# KiCad board gk-pcbv3.kicad_pcb (continued)
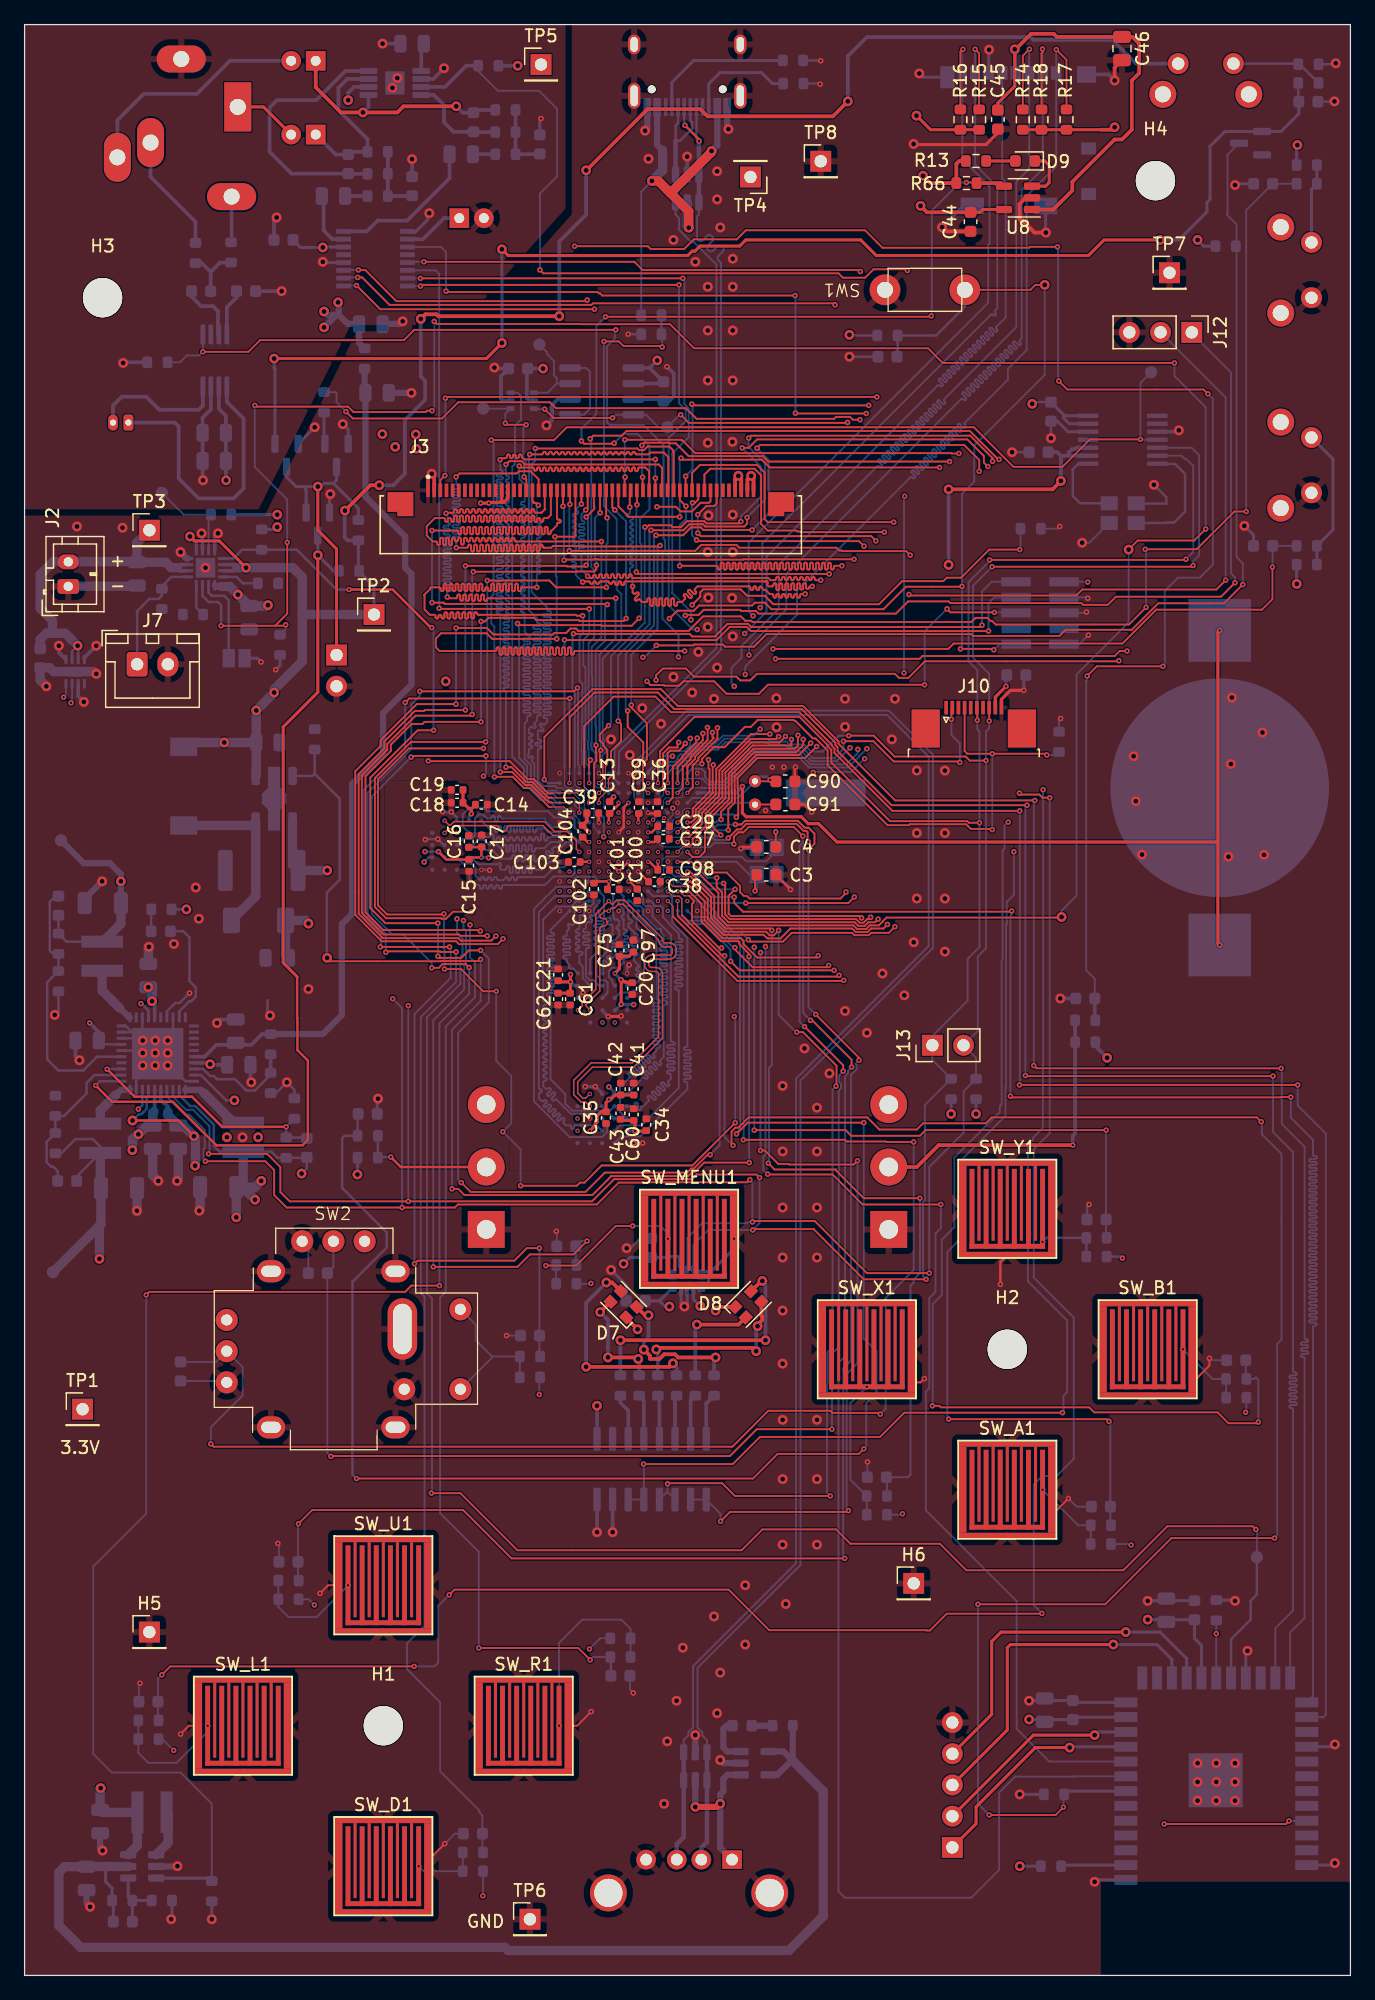
[diagram p0: board, top side]
## Routing (per net, layer and track width the routed paths; a pad name or vN(x,y) marks a point on that pad's centre or on a via; arc(x,y) is an arc through that point) (continued)
SDMMC1_CMD: length 95.4
  Top w0.152: v1(81.81,156.74) 81.27,156.2 R14.2
  In3.Cu w0.152: v3(50.77,97.03) 50.77,98.21 52.2,99.64 54.91,99.64 55.37,100.1 55.58,100.1 58.06,102.59 58.06,104.62 v1(57.78,104.9)
  Bottom w0.152: v1(81.81,156.74) 81.8,156.73 J4.3 81.8,147.03 80.8,146.02 80.8,145.92 80.75,145.87 80.75,134.14 74.87,128.26 arc(74.84,128.19) 74.87,128.12 74.94,128.05 arc(74.97,127.98) 74.94,127.91 74.91,127.88 arc(74.84,127.85) 74.77,127.88 74.49,128.16 arc(74.42,128.19) 74.35,128.16 74.32,128.12 arc(74.29,128.06) 74.32,127.99 74.6,127.71 arc(74.62,127.64) 74.6,127.57 74.56,127.54 arc(74.49,127.51) 74.43,127.54 74.15,127.82 arc(74.08,127.84) 74.01,127.82 73.97,127.78 arc(73.95,127.71) 73.97,127.64 74.25,127.37 arc(74.28,127.3) 74.25,127.23 74.22,127.19 arc(74.15,127.17) 74.08,127.19 73.8,127.47 arc(73.73,127.5) 73.67,127.47 73.63,127.44 arc(73.6,127.37) 73.63,127.3 73.91,127.02 arc(73.94,126.95) 73.91,126.89 73.88,126.85 arc(73.81,126.82) 73.74,126.85 73.46,127.13 arc(73.39,127.16) 73.32,127.13 73.29,127.1 arc(73.26,127.03) 73.29,126.96 73.57,126.68 arc(73.6,126.61) 73.57,126.54 73.53,126.51 arc(73.47,126.48) 73.4,126.51 73.12,126.79 arc(73.05,126.82) 72.98,126.79 72.95,126.75 arc(72.92,126.68) 72.95,126.62 73.23,126.34 arc(73.25,126.27) 73.23,126.2 73.19,126.17 arc(73.12,126.14) 73.05,126.17 72.77,126.44 arc(72.71,126.47) 72.64,126.44 72.6,126.41 arc(72.57,126.34) 72.6,126.27 72.88,125.99 arc(72.91,125.93) 72.88,125.86 72.85,125.82 arc(72.78,125.79) 72.71,125.82 72.43,126.1 arc(72.36,126.13) 72.29,126.1 72.26,126.07 arc(72.23,126) 72.26,125.93 72.54,125.65 arc(72.57,125.58) 72.54,125.51 72.51,125.48 arc(72.44,125.45) 72.37,125.48 72.09,125.76 arc(72.02,125.79) 71.95,125.76 71.92,125.72 arc(71.89,125.66) 71.92,125.59 72.2,125.31 arc(72.23,125.24) 72.2,125.17 72.16,125.14 arc(72.09,125.11) 72.03,125.14 71.75,125.42 arc(71.68,125.44) 71.61,125.42 71.58,125.38 arc(71.55,125.31) 71.58,125.24 71.85,124.97 arc(71.88,124.9) 71.85,124.83 71.82,124.79 arc(71.75,124.77) 71.68,124.79 71.4,125.07 arc(71.34,125.1) 71.27,125.07 71.23,125.04 arc(71.2,124.97) 71.23,124.9 71.51,124.62 arc(71.54,124.55) 71.51,124.49 71.48,124.45 arc(71.41,124.42) 71.34,124.45 71.06,124.73 arc(70.99,124.76) 70.92,124.73 70.89,124.7 arc(70.86,124.63) 70.89,124.56 71.17,124.28 arc(71.2,124.21) 71.17,124.14 71.13,124.11 arc(71.07,124.08) 71,124.11 70.72,124.39 arc(70.65,124.42) 70.58,124.39 70.55,124.35 arc(70.52,124.29) 70.55,124.22 70.83,123.94 arc(70.85,123.87) 70.83,123.8 70.79,123.77 arc(70.72,123.74) 70.65,123.77 70.38,124.05 arc(70.31,124.07) 70.24,124.05 70.2,124.01 arc(70.18,123.94) 70.2,123.87 70.48,123.59 arc(70.51,123.53) 70.48,123.46 70.45,123.42 arc(70.38,123.39) 70.31,123.42 70.03,123.7 arc(69.96,123.73) 69.9,123.7 69.86,123.67 arc(69.83,123.6) 69.86,123.53 70.14,123.25 arc(70.17,123.18) 70.14,123.11 70.11,123.08 arc(70.04,123.05) 69.97,123.08 69.69,123.36 arc(69.62,123.39) 69.55,123.36 69.52,123.33 arc(69.49,123.26) 69.52,123.19 69.8,122.91 arc(69.83,122.84) 69.8,122.77 69.76,122.74 arc(69.69,122.71) 69.63,122.74 69.55,122.81 arc(69.49,122.84) 69.42,122.81 67.98,121.37 61.39,114.78 61.39,111.2 58.37,108.18 58.37,107.21 57.56,106.4 57.56,105.13 v1(57.78,104.9)
SDMMC1_D0: length 95.3
  Top w0.152: v1(77.39,156.74) 77.72,156.42 R15.2
  In3.Cu w0.152: v3(45.17,89.03) 46.66,89.03 47.47,88.21 48.29,88.21 48.79,87.71 50.52,87.71 50.83,88.01 51.87,88.01 52.04,87.83 54.36,87.83 55.27,88.75 55.27,90.55 56.11,91.39 56.11,94.77 56.77,95.43 56.77,98.96 59.61,101.8 59.61,105.18 59.89,105.46 v1(59.89,111.3)
  Bottom w0.152: v1(77.39,156.74) 77.4,156.74 J4.7 77.4,147.34 79.2,145.54 79.2,135.66 79,135.46 arc(78.97,135.4) 79,135.33 79.07,135.26 arc(79.09,135.19) 79.07,135.12 79.03,135.09 arc(78.96,135.06) 78.89,135.09 78.83,135.16 arc(78.76,135.18) 78.69,135.16 76.21,132.68 60.07,116.54 60.07,111.48 v1(59.89,111.3)
SDMMC1_D1: length 95.3
  Top w0.152: R16.2 76.19,156.53 v1(76.4,156.74)
  In3.Cu w0.152: v3(44.37,89.03) 44.71,89.37 48.62,89.37 48.77,89.22 48.77,88.82 49.02,88.57 49.81,88.57 49.96,88.42 52.04,88.42 52.22,88.6 54.25,88.6 54.89,89.23 54.89,90.81 55.73,91.64 55.73,94.84 56.46,95.58 56.46,99.11 59.31,101.96 59.31,105.21 59.35,105.25 59.35,105.4 59.51,105.56 59.51,110.44 v1(59.31,110.64)
  Bottom w0.152: v1(59.31,110.64) 58.95,111 58.95,116.61 78.46,136.12 78.46,140.82 78.56,140.92 78.56,145.59 76.35,147.81 J4.8 76.35,156.69 v1(76.4,156.74)
SDMMC1_D2: length 93.7
  Top w0.09: 54.17,94.2 53.54,94.2 v3(53.17,93.83)
  Top w0.152: v1(84,156.72) 84.83,155.89 R17.2 ; 54.17,94.2 54.4,94.42 54.4,94.96 55.77,96.33 55.77,98.15 55.68,98.24 v1(55.68,98.93)
  In3.Cu w0.152: v1(58.67,105.87) 58.7,105.84 58.7,102.34 55.68,99.32 v1(55.68,98.93)
  Bottom w0.152: v1(58.67,105.87) 58.67,106.5 62.89,110.72 62.89,112.69 72.12,121.91 arc(72.19,121.94) 72.25,121.91 72.32,121.85 arc(72.39,121.82) 72.46,121.85 72.49,121.88 arc(72.52,121.95) 72.49,122.02 72.22,122.29 arc(72.19,122.36) 72.22,122.43 72.25,122.46 arc(72.32,122.49) 72.39,122.46 72.67,122.19 arc(72.73,122.16) 72.8,122.19 72.84,122.22 arc(72.87,122.29) 72.84,122.36 72.56,122.63 arc(72.53,122.7) 72.56,122.77 72.6,122.81 arc(72.67,122.83) 72.73,122.81 73.01,122.53 arc(73.08,122.5) 73.15,122.53 73.18,122.57 arc(73.21,122.63) 73.18,122.7 72.91,122.98 arc(72.88,123.05) 72.91,123.11 72.94,123.15 arc(73.01,123.18) 73.08,123.15 73.35,122.87 arc(73.42,122.85) 73.49,122.87 73.52,122.91 arc(73.55,122.98) 73.52,123.05 73.25,123.32 arc(73.22,123.39) 73.25,123.46 73.28,123.49 arc(73.35,123.52) 73.42,123.49 73.69,123.22 arc(73.76,123.19) 73.83,123.22 73.87,123.25 arc(73.89,123.32) 73.87,123.39 73.59,123.66 arc(73.56,123.73) 73.59,123.8 73.63,123.83 arc(73.69,123.86) 73.76,123.83 74.04,123.56 arc(74.11,123.53) 74.17,123.56 74.21,123.59 arc(74.24,123.66) 74.21,123.73 73.93,124.01 arc(73.91,124.07) 73.93,124.14 73.97,124.18 arc(74.04,124.21) 74.11,124.18 74.38,123.9 arc(74.45,123.87) 74.52,123.9 74.55,123.94 arc(74.58,124.01) 74.55,124.07 74.28,124.35 arc(74.25,124.42) 74.28,124.49 74.31,124.52 arc(74.38,124.55) 74.45,124.52 74.72,124.25 arc(74.79,124.22) 74.86,124.25 74.89,124.28 arc(74.92,124.35) 74.89,124.42 74.62,124.69 arc(74.59,124.76) 74.62,124.83 74.65,124.86 arc(74.72,124.89) 74.79,124.86 75.07,124.59 arc(75.13,124.56) 75.2,124.59 75.24,124.62 arc(75.27,124.69) 75.24,124.76 74.96,125.03 arc(74.93,125.1) 74.96,125.17 75,125.21 arc(75.07,125.23) 75.13,125.21 75.41,124.93 arc(75.48,124.9) 75.55,124.93 75.58,124.96 arc(75.61,125.03) 75.58,125.1 75.31,125.38 arc(75.28,125.45) 75.31,125.51 75.34,125.55 arc(75.41,125.58) 75.48,125.55 75.75,125.27 arc(75.82,125.25) 75.89,125.27 75.92,125.31 arc(75.95,125.38) 75.92,125.44 75.65,125.72 arc(75.62,125.79) 75.65,125.86 75.68,125.89 arc(75.75,125.92) 75.82,125.89 76.09,125.62 arc(76.16,125.59) 76.23,125.62 76.27,125.65 arc(76.29,125.72) 76.27,125.79 75.99,126.06 arc(75.96,126.13) 75.99,126.2 76.03,126.23 arc(76.09,126.26) 76.16,126.23 76.44,125.96 arc(76.51,125.93) 76.57,125.96 76.61,125.99 arc(76.64,126.06) 76.61,126.13 76.54,126.2 arc(76.51,126.27) 76.54,126.34 80.06,129.86 80.06,130.73 81.58,132.26 81.58,144.81 84,147.22 J4.1 v1(84,156.72)
SDMMC1_D3: length 93.6
  Top w0.152: R18.2 82.8,156.41 82.88,156.49 v1(82.88,156.77) ; v1(56.07,98.5) 56.02,98.46 56.02,96.21 54.64,94.83 54.64,94.18 54.28,93.83 v3(53.97,93.83)
  In3.Cu w0.152: v1(56.07,98.5) 56.07,99.15 59,102.08 59,105.49 59.11,105.59 59.11,106.38 58.98,106.5 v1(58.98,107.44)
  Bottom w0.152: v1(82.88,156.77) 82.9,156.75 J4.2 82.9,147.01 81.18,145.29 81.18,133.2 81.03,133.05 arc(81,132.98) 81.03,132.91 81.1,132.84 arc(81.13,132.78) 81.1,132.71 81.07,132.67 arc(81,132.65) 80.93,132.67 80.65,132.95 arc(80.59,132.98) 80.52,132.95 80.48,132.92 arc(80.45,132.85) 80.48,132.78 80.76,132.5 arc(80.79,132.43) 80.76,132.36 80.72,132.33 arc(80.66,132.3) 80.59,132.33 80.31,132.61 arc(80.24,132.64) 80.17,132.61 80.14,132.57 arc(80.11,132.5) 80.14,132.44 80.42,132.16 arc(80.44,132.09) 80.42,132.02 80.38,131.99 arc(80.31,131.96) 80.24,131.99 79.97,132.26 arc(79.9,132.29) 79.83,132.26 79.8,132.23 arc(79.77,132.16) 79.8,132.09 80.07,131.82 arc(80.1,131.75) 80.07,131.68 80.04,131.64 arc(79.97,131.62) 79.9,131.64 79.63,131.92 arc(79.56,131.95) 79.49,131.92 79.45,131.89 arc(79.43,131.82) 79.45,131.75 79.73,131.47 arc(79.76,131.41) 79.73,131.34 79.7,131.3 arc(79.63,131.27) 79.56,131.3 79.28,131.58 arc(79.21,131.61) 79.15,131.58 79.11,131.54 arc(79.08,131.48) 79.11,131.41 79.39,131.13 arc(79.42,131.06) 79.39,130.99 79.35,130.96 arc(79.28,130.93) 79.22,130.96 78.94,131.24 arc(78.87,131.26) 78.8,131.24 78.77,131.2 arc(78.74,131.13) 78.77,131.06 79.05,130.79 arc(79.07,130.72) 79.05,130.65 79.01,130.62 arc(78.94,130.59) 78.87,130.62 78.6,130.89 arc(78.53,130.92) 78.46,130.89 78.43,130.86 arc(78.4,130.79) 78.43,130.72 78.7,130.45 arc(78.73,130.38) 78.7,130.31 78.67,130.27 arc(78.6,130.25) 78.53,130.27 78.25,130.55 arc(78.19,130.58) 78.12,130.55 78.08,130.52 arc(78.05,130.45) 78.08,130.38 78.36,130.1 arc(78.39,130.03) 78.36,129.97 78.33,129.93 arc(78.26,129.9) 78.19,129.93 77.91,130.21 arc(77.84,130.24) 77.77,130.21 77.74,130.17 arc(77.71,130.1) 77.74,130.04 78.02,129.76 arc(78.05,129.69) 78.02,129.62 77.98,129.59 arc(77.91,129.56) 77.85,129.59 77.57,129.86 arc(77.5,129.89) 77.43,129.86 77.4,129.83 arc(77.37,129.76) 77.4,129.69 77.67,129.42 arc(77.7,129.35) 77.67,129.28 77.64,129.25 arc(77.57,129.22) 77.5,129.25 77.23,129.52 arc(77.16,129.55) 77.09,129.52 77.05,129.49 arc(77.03,129.42) 77.05,129.35 77.33,129.07 arc(77.36,129.01) 77.33,128.94 77.3,128.9 arc(77.23,128.87) 77.16,128.9 76.88,129.18 arc(76.81,129.21) 76.75,129.18 76.71,129.14 arc(76.68,129.08) 76.71,129.01 76.99,128.73 arc(77.02,128.66) 76.99,128.59 76.95,128.56 arc(76.89,128.53) 76.82,128.56 76.54,128.84 arc(76.47,128.86) 76.4,128.84 76.37,128.8 arc(76.34,128.73) 76.37,128.66 76.65,128.39 arc(76.67,128.32) 76.65,128.25 76.61,128.22 arc(76.54,128.19) 76.47,128.22 76.4,128.29 arc(76.34,128.31) 76.27,128.29 75.2,127.22 62.03,114.05 62.03,111.15 58.98,108.1 v1(58.98,107.44)
SPI2_MOSI: length 111.2
  Top w0.152: v1(56.35,89.32) 56.35,88.58 56.79,88.15 56.79,86.23 57.32,85.7 67.59,85.7 67.88,85.41 68.42,85.41 68.71,85.7 69.24,85.7 v1(69.49,85.95) ; v1(68.05,138.66) 67.92,138.79 50.32,138.79 49.66,139.45 v1(32.51,139.45)
  In3.Cu w0.152: v1(68.05,138.66) 68.02,138.63 68.02,128.04 67.56,127.58 67.56,124.46 v1(71.65,120.37) ; v1(69.49,85.95) 69.49,97.26 71.73,99.49 71.73,105.87 v1(71.61,105.99)
  Bottom w0.152: v1(56.35,89.32) 55.59,89.32 55.08,89.83 U4.L1 ; U7.13 31.24,139.45 v1(32.51,139.45) ; v1(71.65,120.37) 71.6,120.32 71.6,105.99 v1(71.61,105.99)
SPI2_NSS: length 70
  Top w0.152: v1(56.41,101.52) 56.41,100.63 54.86,99.09 54.86,98.91 54.79,98.83 54.78,98.83 54.4,98.45 54.4,96.66 v3(53.97,96.23) ; v1(53.59,138.1) v1(32.23,138.1)
  In3.Cu w0.152: v1(56.41,101.52) 56.41,101.57 57.58,102.74 57.58,104.39 57.18,104.8 57.18,105.56 57.45,105.84 57.45,107.54 56.52,108.48 56.52,110.19 56.39,110.31 v1(54.25,110.31)
  Bottom w0.152: v1(32.23,138.1) 31.19,138.1 U7.15 ; v1(54.25,110.31) 54.25,110.96 52.73,112.48 52.73,123.83 54.08,125.17 54.08,127.51 53.72,127.86 53.72,137.97 v1(53.59,138.1)
SPI2_SCK: length 56
  Top w0.152: v1(45.97,111.2) 33.81,111.2 v1(33.76,111.25)
  Bottom w0.152: v1(33.76,111.25) 33.76,138.46 33.46,138.75 U7.14 ; v1(45.97,111.2) 45.97,109.14 45.49,108.66 45.49,106.6 45.67,106.43 45.67,100.53 45.62,100.48 45.62,99.74 45.67,99.69 45.67,98.68 45.97,98.38 U4.A12
SPI3_MISO: length 145.8
  Top w0.152: v1(102.31,73.81) 82.4,73.81 v1(82.17,74.04) ; v1(82.25,95.61) 82.23,95.62 70.88,95.62 66.27,100.23 66.27,100.42 63.39,103.3 53.19,103.3 51.82,104.67 46.23,104.67 42.32,100.76 v1(42.32,97.31)
  Bottom w0.152: v1(42.32,97.31) 42.6,97.03 U4.B15 ; v1(82.17,74.04) 82.17,95.53 v1(82.25,95.61) ; v1(102.31,73.81) 102.36,73.76 102.36,69.29 104.22,67.44 104.22,51.87 arc(104.24,51.8) 104.31,51.77 104.4,51.77 arc(104.47,51.74) 104.5,51.67 104.5,51.62 arc(104.47,51.56) 104.4,51.53 104.03,51.53 arc(103.96,51.5) 103.93,51.43 103.93,51.38 arc(103.96,51.31) 104.03,51.29 104.4,51.29 arc(104.47,51.26) 104.5,51.19 104.5,51.14 arc(104.47,51.07) 104.4,51.04 104.03,51.04 arc(103.96,51.01) 103.93,50.95 103.93,50.9 arc(103.96,50.83) 104.03,50.8 104.4,50.8 arc(104.47,50.77) 104.5,50.7 104.5,50.66 arc(104.47,50.59) 104.4,50.56 104.03,50.56 arc(103.96,50.53) 103.93,50.46 103.93,50.41 arc(103.96,50.34) 104.03,50.32 104.12,50.32 arc(104.19,50.29) 104.22,50.22 104.22,29.08 103.05,27.91 U25.24
SPI3_MOSI: length 145.8
  Top w0.09: 45.56,98.34 45.56,96.74 45.97,96.33 v3(45.97,95.43)
  Top w0.152: v1(81.03,94.77) 70.65,94.77 65.94,99.48 65.94,99.84 65.74,100.04 65.74,100.13 63.08,102.79 52.63,102.79 51.36,104.06 47.96,104.06 45.56,101.67 45.56,98.34 ; v1(103.66,72.47) v1(81,72.47)
  Bottom w0.152: v1(81,72.47) 81.03,72.49 v1(81.03,94.77) ; v1(103.66,72.47) 103.66,70.79 105.94,68.5 105.94,21.21 105.71,20.98 105.68,21.02 U25.26
SPI3_NSS: length 145.7
  Top w0.152: v1(80.37,86.61) 80.31,86.56 58.5,86.56 57.78,87.28 v1(57.78,87.74) ; v1(80.26,71.55) 80.37,71.45 102.23,71.45 102.26,71.48 v1(103.1,71.48)
  Bottom w0.09: 55.11,88.58 53.74,88.58 53.29,89.03 U4.M3
  Bottom w0.152: 55.11,88.58 55.95,87.74 v1(57.78,87.74) ; v1(80.37,86.61) 80.37,86.28 80.26,86.18 v1(80.26,71.55) ; U25.25 104.9,22.73 104.9,52.78 arc(104.93,52.85) 105,52.87 105.1,52.87 arc(105.17,52.9) 105.2,52.97 105.2,53.02 arc(105.17,53.09) 105.1,53.12 104.7,53.12 arc(104.63,53.15) 104.61,53.21 104.61,53.26 arc(104.63,53.33) 104.7,53.36 105.1,53.36 arc(105.17,53.39) 105.2,53.46 105.2,53.51 arc(105.17,53.57) 105.1,53.6 104.7,53.6 arc(104.63,53.63) 104.61,53.7 104.61,53.75 arc(104.63,53.82) 104.7,53.84 105.1,53.84 arc(105.17,53.87) 105.2,53.94 105.2,53.99 arc(105.17,54.06) 105.1,54.09 104.7,54.09 arc(104.63,54.12) 104.61,54.18 104.61,54.23 arc(104.63,54.3) 104.7,54.33 105.1,54.33 arc(105.17,54.36) 105.2,54.43 105.2,54.47 arc(105.17,54.54) 105.1,54.57 104.7,54.57 arc(104.63,54.6) 104.61,54.67 104.61,54.72 arc(104.63,54.79) 104.7,54.81 105.1,54.81 arc(105.17,54.84) 105.2,54.91 105.2,54.96 arc(105.17,55.03) 105.1,55.06 104.7,55.06 arc(104.63,55.08) 104.61,55.15 104.61,55.2 arc(104.63,55.27) 104.7,55.3 105.1,55.3 arc(105.17,55.33) 105.2,55.4 105.2,55.44 arc(105.17,55.51) 105.1,55.54 104.7,55.54 arc(104.63,55.57) 104.61,55.64 104.61,55.69 arc(104.63,55.76) 104.7,55.78 105.1,55.78 arc(105.17,55.81) 105.2,55.88 105.2,55.93 arc(105.17,56) 105.1,56.03 104.7,56.03 arc(104.63,56.05) 104.61,56.12 104.61,56.17 arc(104.63,56.24) 104.7,56.27 105.1,56.27 arc(105.17,56.3) 105.2,56.37 105.2,56.41 arc(105.17,56.48) 105.1,56.51 104.7,56.51 arc(104.63,56.54) 104.61,56.61 104.61,56.66 arc(104.63,56.72) 104.7,56.75 105.1,56.75 arc(105.17,56.78) 105.2,56.85 105.2,56.9 arc(105.17,56.97) 105.1,57 104.7,57 arc(104.63,57.02) 104.61,57.09 104.61,57.14 arc(104.63,57.21) 104.7,57.24 105.1,57.24 arc(105.17,57.27) 105.2,57.34 105.2,57.38 arc(105.17,57.45) 105.1,57.48 104.7,57.48 arc(104.63,57.51) 104.61,57.58 104.61,57.63 arc(104.63,57.69) 104.7,57.72 105.1,57.72 arc(105.17,57.75) 105.2,57.82 105.2,57.87 arc(105.17,57.94) 105.1,57.97 104.7,57.97 arc(104.63,57.99) 104.61,58.06 104.61,58.11 arc(104.63,58.18) 104.7,58.21 105.1,58.21 arc(105.17,58.24) 105.2,58.3 105.2,58.35 arc(105.17,58.42) 105.1,58.45 104.7,58.45 arc(104.63,58.48) 104.61,58.55 104.61,58.6 arc(104.63,58.66) 104.7,58.69 105.1,58.69 arc(105.17,58.72) 105.2,58.79 105.2,58.84 arc(105.17,58.91) 105.1,58.93 104.7,58.93 arc(104.63,58.96) 104.61,59.03 104.61,59.08 arc(104.63,59.15) 104.7,59.18 105.1,59.18 arc(105.17,59.21) 105.2,59.27 105.2,59.32 arc(105.17,59.39) 105.1,59.42 104.7,59.42 arc(104.63,59.45) 104.61,59.52 104.61,59.57 arc(104.63,59.63) 104.7,59.66 105.1,59.66 arc(105.17,59.69) 105.2,59.76 105.2,59.81 arc(105.17,59.88) 105.1,59.9 104.7,59.9 arc(104.63,59.93) 104.61,60 104.61,60.05 arc(104.63,60.12) 104.7,60.15 105.1,60.15 arc(105.17,60.18) 105.2,60.24 105.2,60.29 arc(105.17,60.36) 105.1,60.39 104.7,60.39 arc(104.63,60.42) 104.61,60.49 104.61,60.53 arc(104.63,60.6) 104.7,60.63 105.1,60.63 arc(105.17,60.66) 105.2,60.73 105.2,60.78 arc(105.17,60.85) 105.1,60.87 104.7,60.87 arc(104.63,60.9) 104.61,60.97 104.61,61.02 arc(104.63,61.09) 104.7,61.12 105.1,61.12 arc(105.17,61.14) 105.2,61.21 105.2,61.26 arc(105.17,61.33) 105.1,61.36 104.7,61.36 arc(104.63,61.39) 104.61,61.46 104.61,61.5 arc(104.63,61.57) 104.7,61.6 105.1,61.6 arc(105.17,61.63) 105.2,61.7 105.2,61.75 arc(105.17,61.82) 105.1,61.84 104.7,61.84 arc(104.63,61.87) 104.61,61.94 104.61,61.99 arc(104.63,62.06) 104.7,62.09 105.1,62.09 arc(105.17,62.11) 105.2,62.18 105.2,62.23 arc(105.17,62.3) 105.1,62.33 104.7,62.33 arc(104.63,62.36) 104.61,62.43 104.61,62.47 arc(104.63,62.54) 104.7,62.57 105.1,62.57 arc(105.17,62.6) 105.2,62.67 105.2,62.72 arc(105.17,62.78) 105.1,62.81 104.7,62.81 arc(104.63,62.84) 104.61,62.91 104.61,62.96 arc(104.63,63.03) 104.7,63.06 105.1,63.06 arc(105.17,63.08) 105.2,63.15 105.2,63.2 arc(105.17,63.27) 105.1,63.3 104.7,63.3 arc(104.63,63.33) 104.61,63.4 104.61,63.44 arc(104.63,63.51) 104.7,63.54 105.1,63.54 arc(105.17,63.57) 105.2,63.64 105.2,63.69 arc(105.17,63.75) 105.1,63.78 104.7,63.78 arc(104.63,63.81) 104.61,63.88 104.61,63.93 arc(104.63,64) 104.7,64.03 105.1,64.03 arc(105.17,64.05) 105.2,64.12 105.2,64.17 arc(105.17,64.24) 105.1,64.27 104.7,64.27 arc(104.63,64.3) 104.61,64.36 104.61,64.41 arc(104.63,64.48) 104.7,64.51 105.1,64.51 arc(105.17,64.54) 105.2,64.61 105.2,64.66 arc(105.17,64.72) 105.1,64.75 104.7,64.75 arc(104.63,64.78) 104.61,64.85 104.61,64.9 arc(104.63,64.97) 104.7,64.99 105.1,64.99 arc(105.17,65.02) 105.2,65.09 105.2,65.14 arc(105.17,65.21) 105.1,65.24 104.7,65.24 arc(104.63,65.27) 104.61,65.33 104.61,65.38 arc(104.63,65.45) 104.7,65.48 105.1,65.48 arc(105.17,65.51) 105.2,65.58 105.2,65.63 arc(105.17,65.69) 105.1,65.72 104.7,65.72 arc(104.63,65.75) 104.61,65.82 104.61,65.87 arc(104.63,65.94) 104.7,65.96 105.1,65.96 arc(105.17,65.99) 105.2,66.06 105.2,66.11 arc(105.17,66.18) 105.1,66.21 104.7,66.21 arc(104.63,66.24) 104.61,66.3 104.61,66.35 arc(104.63,66.42) 104.7,66.45 105.1,66.45 arc(105.17,66.48) 105.2,66.55 105.2,66.59 arc(105.17,66.66) 105.1,66.69 105,66.69 arc(104.93,66.72) 104.9,66.79 104.9,68 103.1,69.8 v1(103.1,71.48)
SPI3_SCK: length 145.9
  Top w0.09: 44.39,98.28 44.37,98.26 v3(44.37,97.03)
  Top w0.152: v1(101.65,73.18) 81.51,73.18 81.48,73.2 v1(81.48,73.23) ; 44.39,98.28 44.39,102.38 46.41,104.39 51.56,104.39 52.91,103.05 63.28,103.05 66.01,100.32 66.01,100.12 66.19,99.95 66.19,99.63 70.59,95.22 v1(81.61,95.22)
  Bottom w0.152: U25.23 101.84,28.26 103.28,29.69 103.28,46.07 arc(103.25,46.14) 103.18,46.17 103.08,46.17 arc(103.01,46.19) 102.99,46.26 102.99,46.31 arc(103.01,46.38) 103.08,46.41 103.47,46.41 arc(103.54,46.44) 103.57,46.51 103.57,46.55 arc(103.54,46.62) 103.47,46.65 103.08,46.65 arc(103.01,46.68) 102.99,46.75 102.99,46.8 arc(103.01,46.86) 103.08,46.89 103.47,46.89 arc(103.54,46.92) 103.57,46.99 103.57,47.04 arc(103.54,47.11) 103.47,47.14 103.08,47.14 arc(103.01,47.16) 102.99,47.23 102.99,47.28 arc(103.01,47.35) 103.08,47.38 103.47,47.38 arc(103.54,47.41) 103.57,47.47 103.57,47.52 arc(103.54,47.59) 103.47,47.62 103.08,47.62 arc(103.01,47.65) 102.99,47.72 102.99,47.77 arc(103.01,47.83) 103.08,47.86 103.47,47.86 arc(103.54,47.89) 103.57,47.96 103.57,48.01 arc(103.54,48.08) 103.47,48.11 103.08,48.11 arc(103.01,48.13) 102.99,48.2 102.99,48.25 arc(103.01,48.32) 103.08,48.35 103.47,48.35 arc(103.54,48.38) 103.57,48.44 103.57,48.49 arc(103.54,48.56) 103.47,48.59 103.08,48.59 arc(103.01,48.62) 102.99,48.69 102.99,48.74 arc(103.01,48.8) 103.08,48.83 103.47,48.83 arc(103.54,48.86) 103.57,48.93 103.57,48.98 arc(103.54,49.05) 103.47,49.07 103.37,49.07 arc(103.3,49.1) 103.28,49.17 103.28,67.01 101.65,68.63 v1(101.65,73.18) ; v1(81.48,73.23) 81.48,95.1 v1(81.61,95.22)
SPKR_NSD: length 84.4
  Top w0.152: v3(52.37,95.43) 52.77,95.83 52.77,98.36 52.79,98.36 53.54,99.11 53.54,99.17 53.85,99.48 53.85,99.52 54.69,100.36 54.69,100.61 v1(54.76,100.69) ; v1(48.13,133.91) 31.72,133.91 30.89,133.07 19.18,133.07 18.23,132.12 v1(14.52,132.12)
  In3.Cu w0.152: v1(54.76,100.69) 54.76,101.22 54.91,101.37 54.91,101.86 55.73,102.67 55.73,103.02 55.65,103.1 55.65,103.33 55.47,103.51 55.47,104.78 53.24,107.01 v1(53.24,107.29)
  Bottom w0.152: v1(48.13,133.91) 48.06,133.83 48.06,133.2 47.42,132.56 47.42,126.39 47.65,126.16 50.39,126.16 52.02,124.54 52.02,116.92 52.15,116.79 52.15,116.03 51.94,115.82 51.94,110.39 53.24,109.09 v1(53.24,107.29) ; U12.1 v1(14.52,132.12) 14.22,131.83 13.21,131.83 12.65,131.27 R22.1
SPKRL: length 3.7
  Bottom w0.305: 16.81,141.03 16.86,141.08 J5.TN
SPKRR: length 9.7
  Bottom w0.305: R65.1 13.92,142.7 10.26,146.36 J5.RN
SWCLK: length 53.9
  Top w0.152: v1(43.96,108.69) 43.98,108.66 56.34,108.66 57.4,109.73 58.8,109.73 59.13,109.4 v1(78.49,109.4)
  Bottom w0.09: U4.D13 45.17,95.73 44.77,96.13 44.77,96.46 44.59,96.63 44.14,96.63 43.96,96.81 43.96,98.28
  Bottom w0.152: 43.96,98.28 v1(43.96,108.69) ; v1(78.49,109.4) 78.49,111.68 78.94,112.14 J8.4
SWDIO: length 55.1
  Top w0.152: v1(44.69,109.18) 44.72,109.16 54.15,109.16 54.36,108.96 56.2,108.96 57.23,109.98 58.91,109.98 59.16,109.73 77.8,109.73 v1(77.95,109.88)
  Bottom w0.09: U4.E12 45.58,95.01 45.58,96.33 45.25,96.66 45.03,96.66 44.8,96.89 44.8,98.31
  Bottom w0.152: 44.8,98.31 44.8,104.42 44.61,104.61 44.61,109.1 v1(44.69,109.18) ; v1(77.95,109.88) 77.95,112.62 78.74,113.41 J8.2
SWO: length 47.6
  Top w0.152: v1(73.28,105.03) 60.53,105.03 59.79,104.29 57.15,104.29 56.13,105.31 53.64,105.31 53.29,104.95 52.1,104.95 52.04,105 50.95,105 50.67,105.28 v1(50.67,105.31) ; v1(78.97,110.92) 75.39,110.92 v1(75.11,111.2) ; v1(53.26,100.34) 53.16,100.25 53.16,99.92 52.47,99.92 51.99,99.44 51.99,96.61 v3(52.37,96.23)
  In3.Cu w0.152: v1(53.26,100.34) 52.98,100.61 52.98,102.82 50.67,105.13 v1(50.67,105.31)
  Bottom w0.152: J8.6 80.68,110.92 v1(78.97,110.92) ; v1(75.11,111.2) 73.28,109.37 v1(73.28,105.03)
UART7_RX: length 133.7
  Top w0.152: v1(63.98,77.72) 64.12,77.72 67.34,74.51 v1(67.34,73.91) ; v1(63.8,92.25) 63.75,92.3 63.75,93.04 63.65,93.14 63.42,93.14 62.86,93.7 58.76,93.7 58.32,93.26 58.01,93.26 57.3,92.55 v1(57.29,92.55)
  Bottom w0.09: U4.H5 51.96,91.83 53.36,91.83 53.61,92.09 53.61,92.42 53.79,92.6 54.93,92.6
  Bottom w0.152: 54.93,92.6 56,92.6 56.19,92.41 57.15,92.41 v1(57.29,92.55) ; U25.8 85.49,16.2 85.47,16.18 80.64,16.18 79.35,14.88 79.35,8.59 77.09,6.32 66.78,6.32 66.27,6.83 66.27,49.86 66.8,50.39 66.8,73.18 67.04,73.42 67.04,73.62 v1(67.34,73.91) ; v1(63.8,92.25) 63.4,91.85 63.4,78.31 v1(63.98,77.72)
UART7_TX: length 99.9
  Top w0.152: v1(74.6,62.74) 68.22,62.74 65.79,65.18 60.53,65.18 v1(60.5,65.2)
  In3.Cu w0.09: 52.77,86.17 52.77,86.22 v3(52.37,86.63)
  In3.Cu w0.152: v1(60.33,83.72) 60.33,84.73 59.49,85.57 53.37,85.57 52.77,86.17
  Bottom w0.152: v1(60.33,83.72) 60.33,66.78 60.15,66.6 60.15,65.55 v1(60.5,65.2) ; U25.9 83.43,17.41 80.77,20.07 80.77,30.45 73.38,37.85 73.38,47.5 73.66,47.78 73.66,55.12 74.17,55.63 74.17,60.38 74.6,60.81 v1(74.6,62.74)
USB_D_N: length 63.8
  Bottom w0.152: 48.03,98.88 48.03,97.97 48.01,97.94 48.01,97.39 U4.B9 ; 54.52,141.03 54.29,141.03 53.79,141.53 53.79,141.54
  Bottom w0.155: 54.52,141.03 56.34,139.22 56.34,108.02 48.03,99.72 48.03,98.88 ; U1.6 53,143.29 53.29,143 53.29,142.05 53.79,141.54
  Bottom w0.203: J1.B7 53.2,150.71 53.01,150.52 53.01,149.3 53.36,149.3 54.36,150.3 54.36,150.79 54.2,150.95 J1.A7
  Bottom w0.366: 53.01,149.3 53,149.29 U1.1 U1.6
